# KiCad board EVT-PCB.kicad_pcb
title: EVT-PCB; date: 2024-07-18; rev: Final; company: MQuero
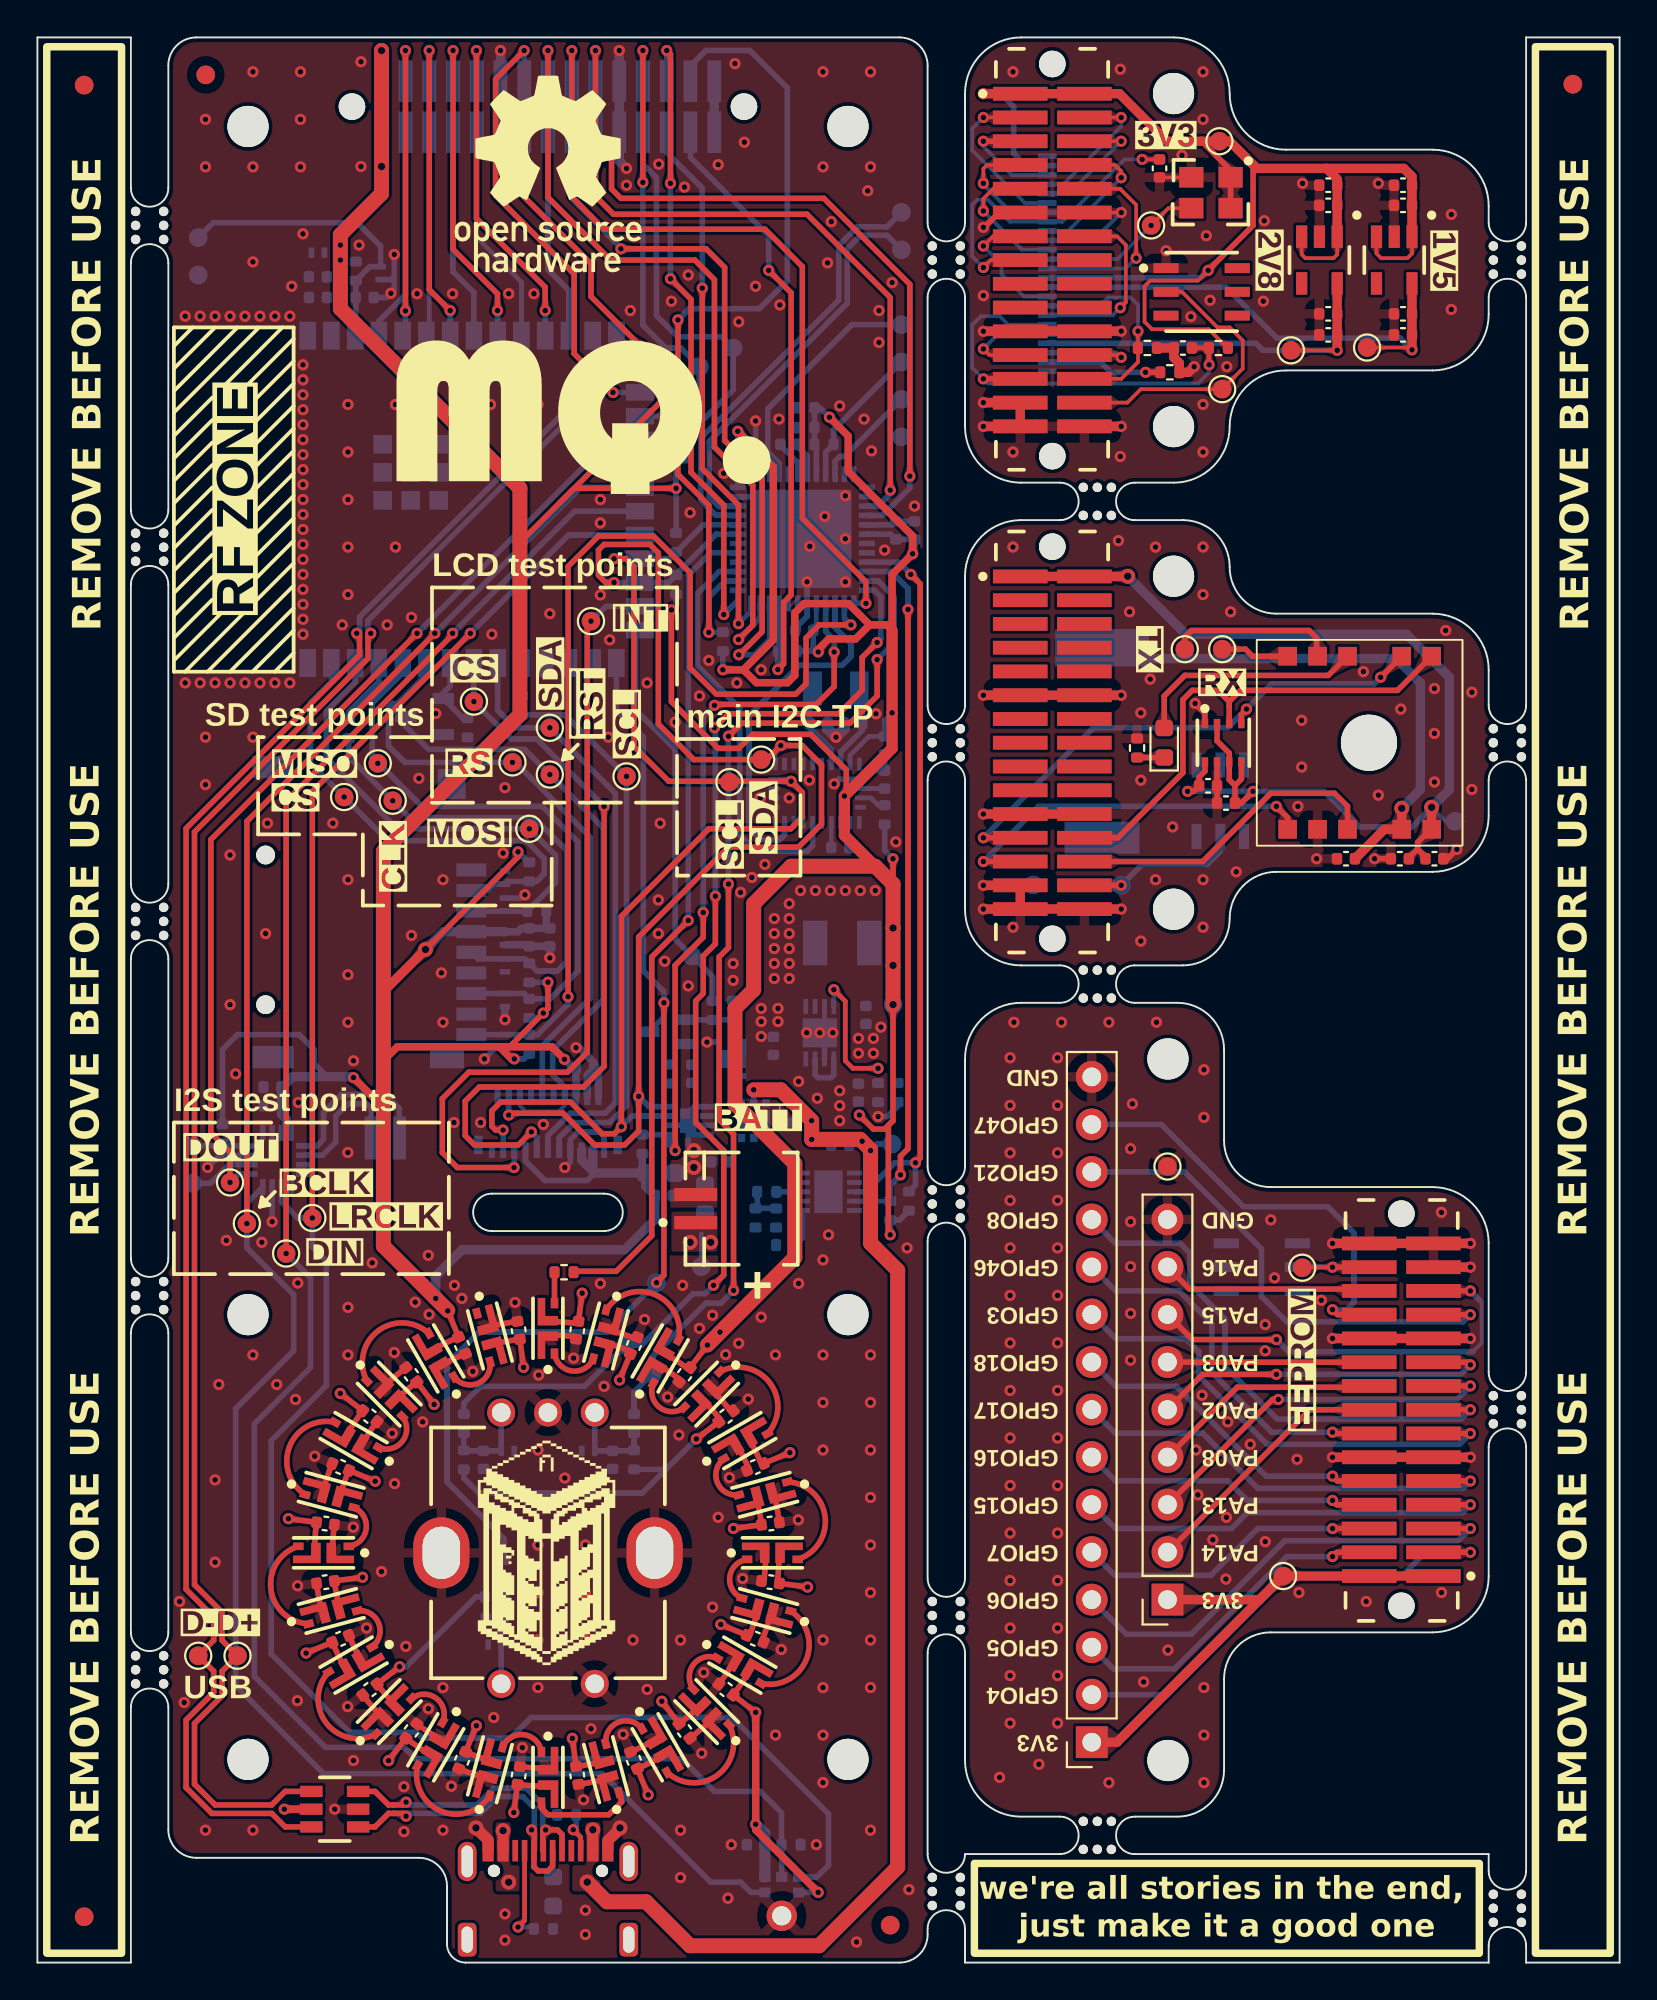
[diagram p0: board, top side]
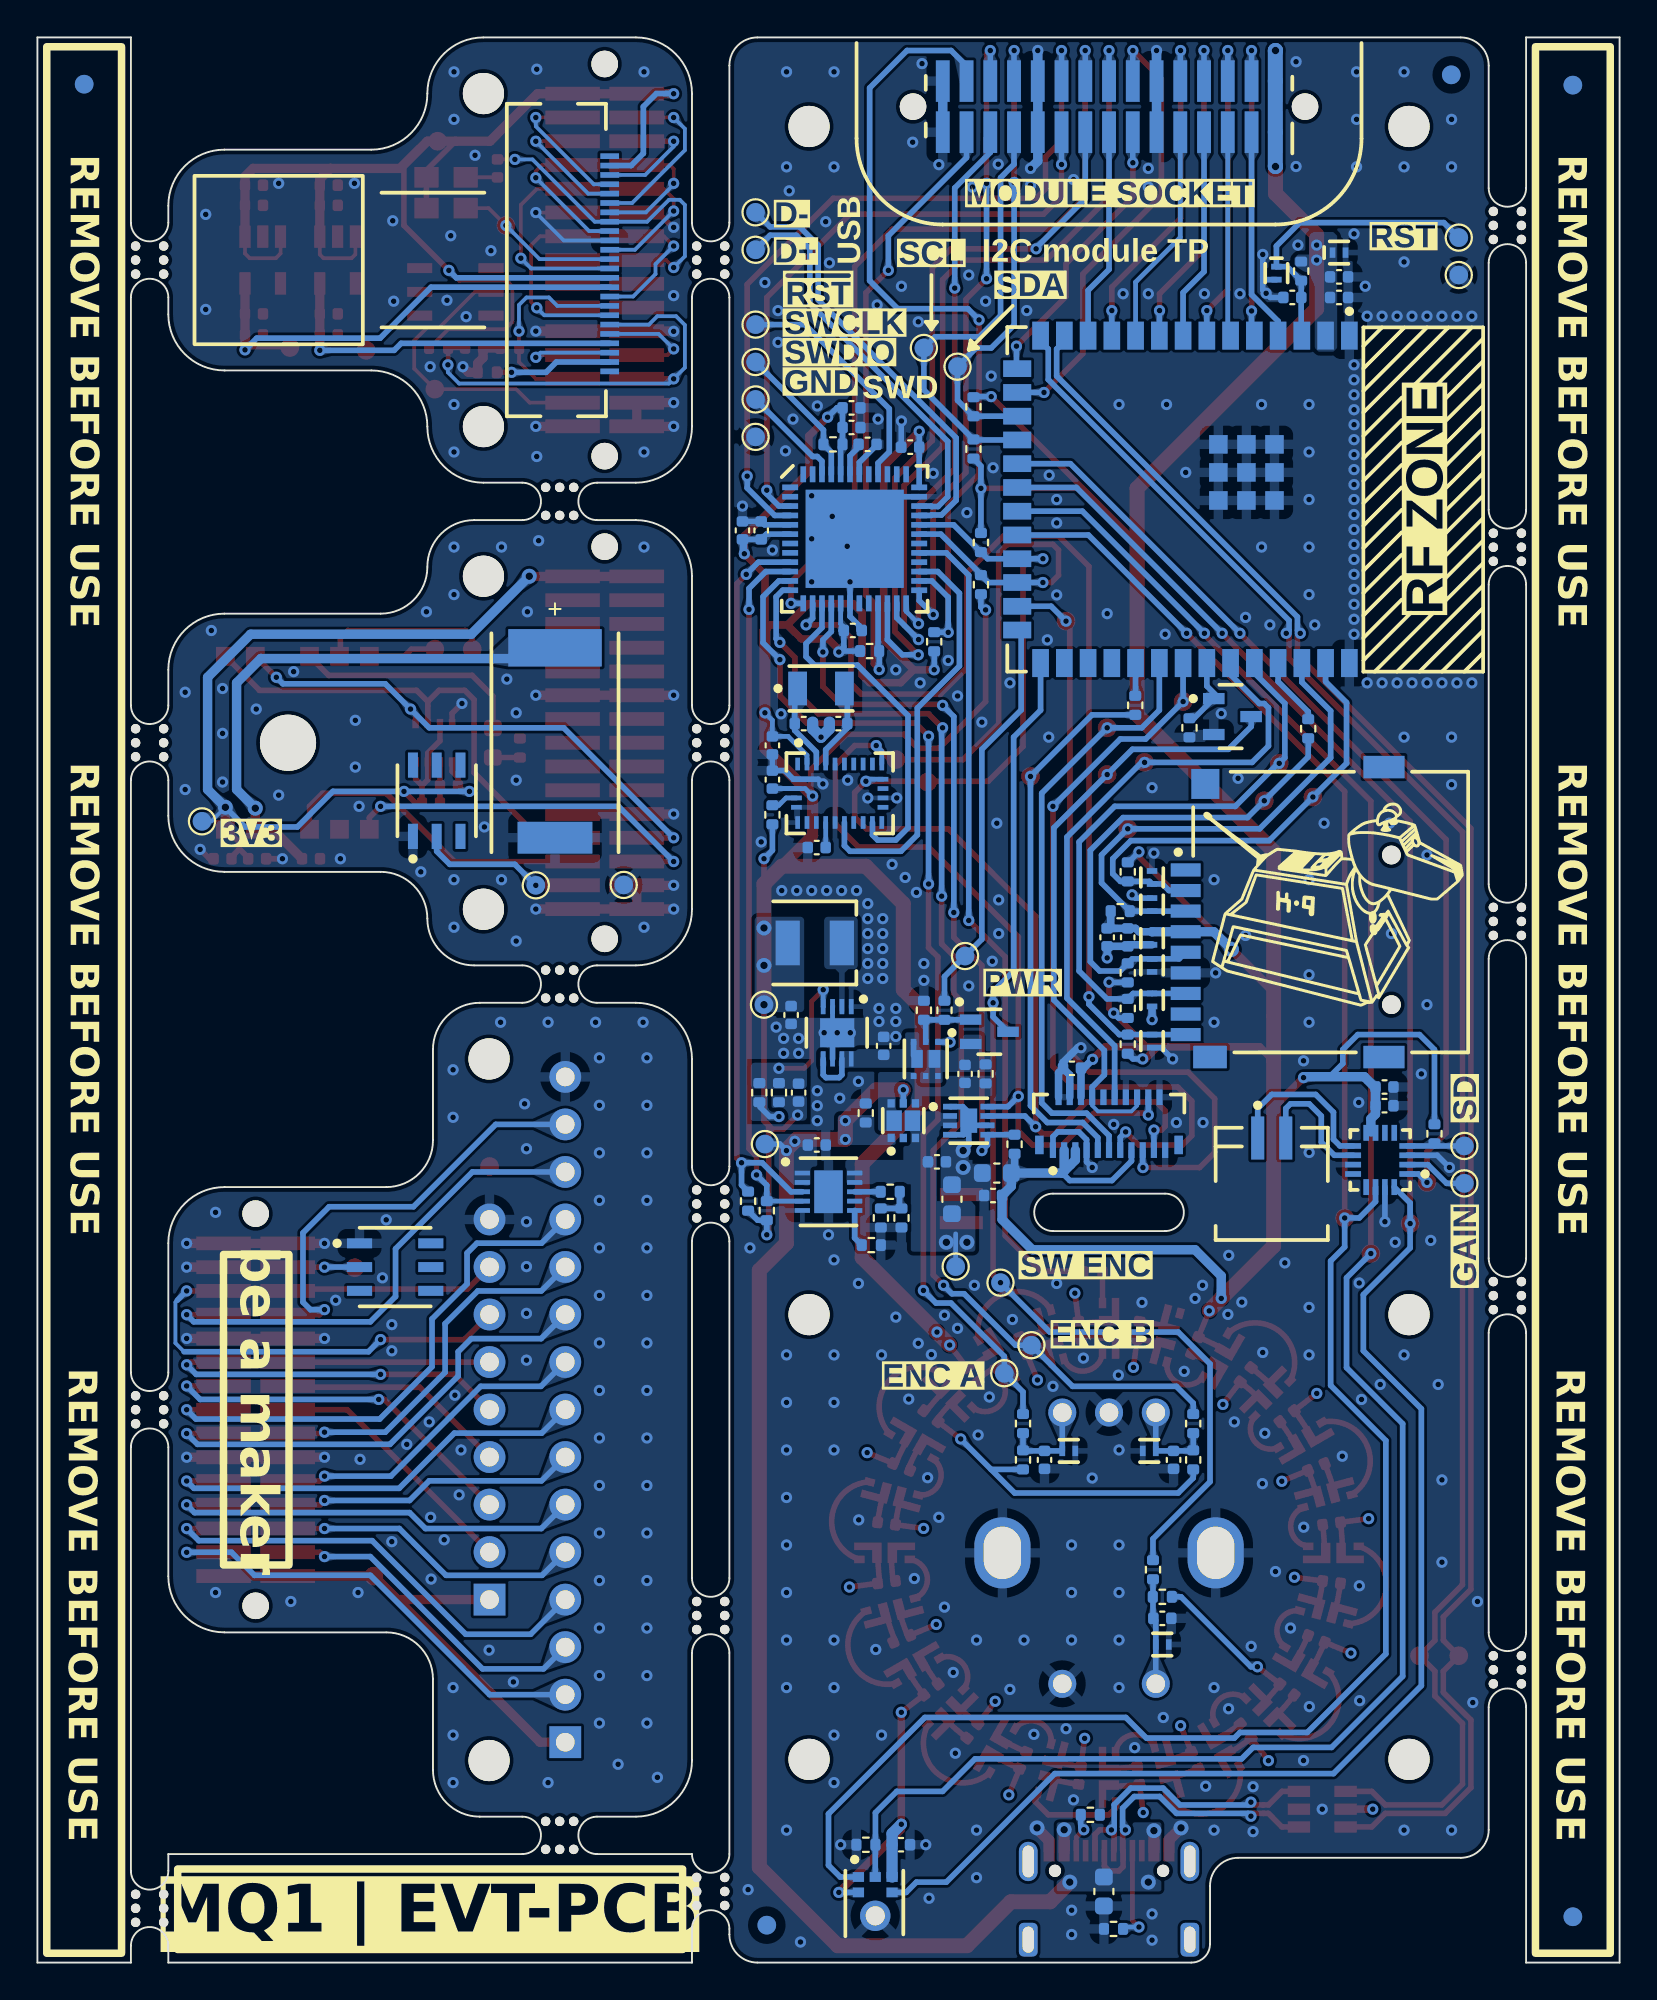
[diagram p1: board, bottom side, seen from below]

Outline 84.6 x 102.9 mm; copper layers: Top, In1.Cu, In2.Cu, Bottom. Coordinates in mm from the lower left corner of the outline.
Outline path: 0,0 0,102.9 5,102.9 5,94.85 arc(6,93.85) 7,94.85 7,101.4 arc(7.44,102.46) 8.5,102.9 46.1,102.9 arc(47.16,102.46) 47.6,101.4 47.6,93 arc(48.6,92) 49.6,93 49.6,99.9 arc(50.48,102.02) 52.6,102.9 60.75,102.9 arc(62.87,102.02) 63.75,99.9 arc(64.63,97.78) 66.75,96.9 74.6,96.9 arc(76.72,96.02) 77.6,93.9 77.6,93 arc(78.6,92) 79.6,93 79.6,102.9 84.6,102.9 84.6,0 79.6,0 79.6,0.9 arc(78.6,1.9) 77.6,0.9 77.6,0 49.6,0 49.6,1.8 arc(48.6,2.8) 47.6,1.8 47.6,1.5 arc(47.16,0.44) 46.1,0 22.9,0 arc(22.19,0.29) 21.9,1 21.9,4.1 arc(21.46,5.16) 20.4,5.6 8.5,5.6 arc(7.44,6.04) 7,7.1 7,13.65 arc(6,14.65) 5,13.65 5,0 0,0 ; 5,90.85 arc(6,91.85) 7,90.85 7,77.65 arc(6,76.65) 5,77.65 5,90.85 ; 5,73.65 arc(6,74.65) 7,73.65 7,57.65 arc(6,56.65) 5,57.65 5,73.65 ; 5,53.65 arc(6,54.65) 7,53.65 7,37.65 arc(6,36.65) 5,37.65 5,53.65 ; 5,33.65 arc(6,34.65) 7,33.65 7,17.65 arc(6,16.65) 5,17.65 5,33.65 ; 24.3,39.1 arc(23.3,40.1) 24.3,41.1 30.3,41.1 arc(31.3,40.1) 30.3,39.1 24.3,39.1 ; 47.6,89 47.6,67.2 arc(48.6,66.2) 49.6,67.2 49.6,74.1 arc(50.48,76.22) 52.6,77.1 54.67,77.1 arc(55.67,78.1) 54.67,79.1 52.6,79.1 arc(50.48,79.98) 49.6,82.1 49.6,89 arc(48.6,90) 47.6,89 ; 47.6,63.2 47.6,42.55 arc(48.6,41.55) 49.6,42.55 49.6,48.3 arc(50.48,50.42) 52.6,51.3 54.67,51.3 arc(55.67,52.3) 54.67,53.3 52.6,53.3 arc(50.48,54.18) 49.6,56.3 49.6,63.2 arc(48.6,64.2) 47.6,63.2 ; 47.6,38.55 47.6,20.55 arc(48.6,19.55) 49.6,20.55 49.6,38.55 arc(48.6,39.55) 47.6,38.55 ; 47.6,16.55 arc(48.6,17.55) 49.6,16.55 49.6,10.8 arc(50.48,8.68) 52.6,7.8 54.67,7.8 arc(55.67,6.8) 54.67,5.8 49.6,5.8 arc(48.6,4.8) 47.6,5.8 47.6,16.55 ; 58.67,79.1 60.75,79.1 arc(62.87,79.98) 63.75,82.1 arc(64.63,84.22) 66.75,85.1 74.6,85.1 arc(76.72,85.98) 77.6,88.1 77.6,89 arc(78.6,90) 79.6,89 79.6,67.2 arc(78.6,66.2) 77.6,67.2 77.6,69.1 arc(76.72,71.22) 74.6,72.1 66.25,72.1 arc(64.48,72.83) 63.75,74.6 arc(63.02,76.37) 61.25,77.1 58.67,77.1 arc(57.67,78.1) 58.67,79.1 ; 58.67,53.3 61.25,53.3 arc(63.02,54.03) 63.75,55.8 arc(64.48,57.57) 66.25,58.3 74.6,58.3 arc(76.72,59.18) 77.6,61.3 77.6,63.2 arc(78.6,64.2) 79.6,63.2 79.6,31.55 arc(78.6,30.55) 77.6,31.55 77.6,38.45 arc(76.72,40.57) 74.6,41.45 65.95,41.45 arc(64.18,42.18) 63.45,43.95 63.45,48.8 arc(62.72,50.57) 60.95,51.3 58.67,51.3 arc(57.67,52.3) 58.67,53.3 ; 58.67,7.8 60.95,7.8 arc(62.72,8.53) 63.45,10.3 63.45,15.15 arc(64.18,16.92) 65.95,17.65 74.6,17.65 arc(76.72,18.53) 77.6,20.65 77.6,27.55 arc(78.6,28.55) 79.6,27.55 79.6,4.9 arc(78.6,3.9) 77.6,4.9 77.6,5.8 58.67,5.8 arc(57.67,6.8) 58.67,7.8
Stack: Top 0.035mm / dielectric 0.196mm PP-7628 er 4.56 / In1.Cu 0.035mm / dielectric 1.03mm Core er 4.6 / In2.Cu 0.035mm / dielectric 0.196mm PP-7628 er 4.56 / Bottom 0.035mm

## Placement (name value [footprint] x y rotation side)
C201  10u  [C_0402_1005Metric]  15 90.1 180 bottom
C202  100n  [C_0402_1005Metric]  15 89 180 bottom
C203  1u  [C_0402_1005Metric]  17.5 89 0 bottom
C301  22u  [C_0603_1608Metric]  27.57 3.8 270 bottom
C302  15p  [C_0402_1005Metric]  43.9 46.5 90 bottom
C303  10u  [C_0402_1005Metric]  44.3 50.65 270 bottom
C304  10u  [C_0402_1005Metric]  39.35 49 90 bottom
C305  100n  [C_0402_1005Metric]  35 47.5 90 bottom
C401  100n  [C_0402_1005Metric]  36.5 42.8 180 bottom
C402  1u  [C_0402_1005Metric]  42.92 43.7 180 bottom
C403  22u  [C_0603_1608Metric]  35.7 40.8 90 bottom
C501  10u  [C_0402_1005Metric]  46.9 76.55 90 bottom
C502  100n  [C_0402_1005Metric]  45.9 76.55 90 bottom
C503  1u  [C_0402_1005Metric]  24.45 18.4 180 bottom
C504  100n  [C_0402_1005Metric]  28.87 33.8 262.5 top
C505  100n  [C_0402_1005Metric]  31.89 32.99 67.5 top
C506  100n  [C_0402_1005Metric]  34.61 31.42 232.5 top
C507  100n  [C_0402_1005Metric]  36.82 29.21 37.5 top
C508  100n  [C_0402_1005Metric]  38.39 26.49 202.5 top
C509  100n  [C_0402_1005Metric]  39.2 23.47 7.5 top
C510  100n  [C_0402_1005Metric]  39.2 20.33 172.5 top
C511  100n  [C_0402_1005Metric]  38.39 17.31 337.5 top
C512  100n  [C_0402_1005Metric]  36.82 14.59 142.5 top
C513  100n  [C_0402_1005Metric]  34.61 12.38 307.5 top
C514  100n  [C_0402_1005Metric]  31.89 10.81 112.5 top
C515  100n  [C_0402_1005Metric]  28.87 10 277.5 top
C516  100n  [C_0402_1005Metric]  25.73 10 82.5 top
C517  100n  [C_0402_1005Metric]  22.71 10.81 247.5 top
C518  100n  [C_0402_1005Metric]  19.99 12.38 52.5 top
C519  100n  [C_0402_1005Metric]  17.78 14.59 217.5 top
C520  100n  [C_0402_1005Metric]  16.21 17.31 22.5 top
C521  100n  [C_0402_1005Metric]  15.4 20.33 187.5 top
C522  100n  [C_0402_1005Metric]  15.4 23.47 352.5 top
C523  100n  [C_0402_1005Metric]  16.21 26.49 157.5 top
C524  100n  [C_0402_1005Metric]  17.78 29.21 322.5 top
C525  100n  [C_0402_1005Metric]  19.99 31.42 127.5 top
C526  100n  [C_0402_1005Metric]  22.71 32.99 292.5 top
C527  100n  [C_0402_1005Metric]  25.73 33.8 97.5 top
C528  1u  [C_0402_1005Metric]  40.21 81.15 180 bottom
C529  100n  [C_0402_1005Metric]  37.93 81 0 bottom
C530  100n  [C_0402_1005Metric]  41.07 82.05 180 bottom
C531  10u  [C_0402_1005Metric]  41.07 83.1 180 bottom
C532  100n  [C_0402_1005Metric]  41 71.2 180 bottom
C533  10n  [C_0402_1005Metric]  23.85 26.87 270 bottom
C534  10n  [C_0402_1005Metric]  30.75 26.87 270 bottom
C601  100n  [C_0402_1005Metric]  38.42 6.3 180 bottom
C701  22u  [C_0603_1608Metric]  33.3 42.2 0 bottom
C703  10u  [C_0402_1005Metric]  29.28 47.8 0 bottom
C705  10u  [C_0402_1005Metric]  33.5 41 0 bottom
C801  100n  [C_0402_1005Metric]  42.93 59.6 0 bottom
C802  100n  [C_0402_1005Metric]  45.3 65.06 270 bottom
C803  100n  [C_0402_1005Metric]  45.3 63.23 90 bottom
C804  22p  [C_0402_1005Metric]  43.62 66.22 180 bottom
C805  22p  [C_0402_1005Metric]  41.78 66.22 0 bottom
C901  10u  [C_0402_1005Metric]  27.4 54.8 270 bottom
C902  100n  [C_0402_1005Metric]  26.3 54.8 270 bottom
C1001  10u  [C_0402_1005Metric]  12.57 46.8 180 bottom
C1002  100n  [C_0402_1005Metric]  12.57 45.8 180 bottom
C1101  22p  [C_0402_1005Metric]  60 95.9 270 top
C1102  1u  [C_0402_1005Metric]  69.02 95 180 top
C1103  100n  [C_0402_1005Metric]  69.02 93.92 180 top
C1104  100n  [C_0402_1005Metric]  69.02 88.12 180 top
C1105  1u  [C_0402_1005Metric]  69.02 87 180 top
C1106  100n  [C_0402_1005Metric]  61.25 86.3 180 top
C1107  1u  [C_0402_1005Metric]  73.02 95 180 top
C1108  100n  [C_0402_1005Metric]  73.02 93.92 180 top
C1109  100n  [C_0402_1005Metric]  73.02 88.12 180 top
C1110  1u  [C_0402_1005Metric]  73.02 87 180 top
C1201  10u  [C_0402_1005Metric]  74.7 59 0 top
C1202  100n  [C_0402_1005Metric]  72.85 59 180 top
C1203  1u  [C_0402_1005Metric]  69.97 59 180 top
C1204  -  [DSK-3R3H224U-HL]  56.92 65.2 180 bottom
C1205  100n  [C_0402_1005Metric]  62.59 62.9 0 top
C1206  100n  [C_0402_1005Metric]  63.56 61.97 180 top
D201  -  [DESD3V3S1BL-7B]  15 91.4 180 bottom
D202  -  [DESD3V3S1BL-7B]  18.35 90.3 270 bottom
D301  -  [USBLC6-2SC6]  15.9 8.2 180 top
D302  -  [BAT54CWT1G]  33.7 49.75 180 bottom
D501  -  [SK68XX-EC3210F]  27.3 33.9 90 top
D502  -  [SK68XX-EC3210F]  30.41 33.49 255 top
D503  -  [SK68XX-EC3210F]  33.3 32.29 60 top
D504  -  [SK68XX-EC3210F]  35.79 30.39 225 top
D505  -  [SK68XX-EC3210F]  37.69 27.9 30 top
D506  -  [SK68XX-EC3210F]  38.89 25.01 195 top
D507  -  [SK68XX-EC3210F]  39.3 21.9 0 top
D508  -  [SK68XX-EC3210F]  38.89 18.79 165 top
D509  -  [SK68XX-EC3210F]  37.69 15.9 330 top
D510  -  [SK68XX-EC3210F]  35.79 13.41 135 top
D511  -  [SK68XX-EC3210F]  33.3 11.51 300 top
D512  -  [SK68XX-EC3210F]  30.41 10.31 105 top
D513  -  [SK68XX-EC3210F]  27.3 9.9 270 top
D514  -  [SK68XX-EC3210F]  24.19 10.31 75 top
D515  -  [SK68XX-EC3210F]  21.3 11.51 240 top
D516  -  [SK68XX-EC3210F]  18.81 13.41 45 top
D517  -  [SK68XX-EC3210F]  16.91 15.9 210 top
D518  -  [SK68XX-EC3210F]  15.71 18.79 15 top
D519  -  [SK68XX-EC3210F]  15.3 21.9 180 top
D520  -  [SK68XX-EC3210F]  15.71 25.01 345 top
D521  -  [SK68XX-EC3210F]  16.91 27.9 150 top
D522  -  [SK68XX-EC3210F]  18.81 30.39 315 top
D523  -  [SK68XX-EC3210F]  21.3 32.29 120 top
D524  -  [SK68XX-EC3210F]  24.19 33.49 285 top
D525  -  [DESD3V3S1BL-7B]  29.45 27.35 180 bottom
D526  -  [DESD3V3S1BL-7B]  25.15 27.35 0 bottom
D527  -  [DESD3V3S1BL-7B]  24.45 17 180 bottom
D901  -  [DESD3V3S1BL-7B]  25 54.75 270 bottom
D902  -  [DESD3V3S1BL-7B]  25 49.25 270 bottom
D903  -  [DESD3V3S1BL-7B]  25 53.3 270 bottom
D904  -  [DESD3V3S1BL-7B]  25 56.55 90 bottom
D905  -  [DESD3V3S1BL-7B]  25 51.45 270 bottom
D906  -  [DESD3V3S1BL-7B]  25 58 90 bottom
D1201  LED  [LED_0603_1608Metric]  60.25 65.2 90 top
E501  -  [PEC11R-4215F-S0024]  27.3 21.9 180 top
FID101  Fiducial  [Fiducial_1mm_Mask2mm]  2.5 100.35 0 top
FID102  Fiducial  [Fiducial_1mm_Mask2mm]  82.1 100.4 0 top
FID103  Fiducial  [Fiducial_1mm_Mask2mm]  2.5 100.35 180 bottom
FID104  Fiducial  [Fiducial_1mm_Mask2mm]  9 100.9 0 top
FID105  Fiducial  [Fiducial_1mm_Mask2mm]  45.6 2 0 top
FID106  Fiducial  [Fiducial_1mm_Mask2mm]  82.1 100.4 180 bottom
FID107  Fiducial  [Fiducial_1mm_Mask2mm]  2.5 2.45 0 top
FID108  Fiducial  [Fiducial_1mm_Mask2mm]  2.5 2.45 180 bottom
FID109  Fiducial  [Fiducial_1mm_Mask2mm]  9 100.9 180 bottom
FID110  Fiducial  [Fiducial_1mm_Mask2mm]  45.6 2 180 bottom
G***  -  [LOGO]  29.2 82.6 0 top
G***#2  -  [LOGO]  27.3 95.6 0 top
G***#3  -  [LOGO]  27.3 21.9 0 top
G***#4  -  [LOGO]  15.4 56.45 180 bottom
H101  MountingHole  [MountingHole_2.2mm_M2]  11.26 98.14 0 top
H102  MountingHole  [MountingHole_2.2mm_M2]  43.34 98.14 0 top
H103  MountingHole  [MountingHole_2.2mm_M2]  43.34 34.63 0 top
H104  MountingHole  [MountingHole_2.2mm_M2]  43.34 10.86 0 top
H105  MountingHole  [MountingHole_2.2mm_M2]  11.26 10.86 0 top
H106  MountingHole  [MountingHole_2.2mm_M2]  11.26 34.63 0 top
H1101  MountingHole  [MountingHole_2.2mm_M2]  60.75 99.9 90 bottom
H1102  MountingHole  [MountingHole_2.2mm_M2]  60.75 82.1 90 bottom
H1201  MountingHole  [MountingHole_2.2mm_M2]  60.75 74.1 270 top
H1202  MountingHole  [MountingHole_2.2mm_M2]  60.75 56.3 270 top
H1301  MountingHole  [MountingHole_2.2mm_M2]  60.45 10.8 180 top
H1302  MountingHole  [MountingHole_2.2mm_M2]  60.45 48.3 180 top
IC501  -  [ATSAMD21G18A-MUT]  40.9 76.1 180 bottom
J101  SFC-115-T2-F-D-A-K  [SFC-115-T2-F-D-A]  27.3 99.2 180 bottom
J301  -  [USB4105-GF-A]  27.3 2.3 0 top
J401  -  [S2B-ZR-SM4A-TF]  37.65 40.3 270 top
J701  -  [2-2328724-1]  27.3 44.53 0 bottom
J901  MSD-1-A  [MSD1A]  15.7 56.15 90 bottom
J1001  -  [S2B-ZR-SM4A-TF]  18.6 41.62 0 bottom
J1101  -  [TFC-115-02-F-D-A]  54.27 91 270 top
J1201  -  [TFC-115-02-F-D-A]  54.27 65.2 270 top
J1302  Conn_01x09  [PinSocket_1x09_P2.54mm_Vertical]  60.42 19.4 180 top
J1303  -  [TFC-115-02-F-D-A]  72.93 29.55 90 top
J1304  Conn_01x15  [PinSocket_1x15_P2.54mm_Vertical]  56.38 11.78 180 top
L301  1µH  [LQH44PN1R0MPRL]  43.03 54.5 0 bottom
M601  -  [ICS-43434]  39.8 3.21 270 bottom
mouse-bite-2mm-slot  VAL**  [mouse-bite-2mm-slot]  48.6 3.8 90 top
mouse-bite-2mm-slot1  VAL**  [mouse-bite-2mm-slot]  6 75.65 90 top
mouse-bite-2mm-slot2  VAL**  [mouse-bite-2mm-slot]  6 55.65 90 top
mouse-bite-2mm-slot3  VAL**  [mouse-bite-2mm-slot]  56.67 78.1 180 top
mouse-bite-2mm-slot3#2  VAL**  [mouse-bite-2mm-slot]  48.6 65.2 90 top
mouse-bite-2mm-slot3#3  VAL**  [mouse-bite-2mm-slot]  6 35.65 90 top
mouse-bite-2mm-slot3#4  VAL**  [mouse-bite-2mm-slot]  48.6 40.55 90 top
mouse-bite-2mm-slot3#5  VAL**  [mouse-bite-2mm-slot]  48.6 91 90 top
mouse-bite-2mm-slot3#6  VAL**  [mouse-bite-2mm-slot]  56.67 52.3 180 top
mouse-bite-2mm-slot4  VAL**  [mouse-bite-2mm-slot]  6 15.65 90 top
mouse-bite-2mm-slot#2  VAL**  [mouse-bite-2mm-slot]  56.67 6.8 180 top
mouse-bite-2mm-slot#3  VAL**  [mouse-bite-2mm-slot]  78.6 2.9 90 top
mouse-bite-2mm-slot#4  VAL**  [mouse-bite-2mm-slot]  6 92.85 90 top
mouse-bite-2mm-slot#5  VAL**  [mouse-bite-2mm-slot]  78.6 65.2 90 top
mouse-bite-2mm-slot#6  VAL**  [mouse-bite-2mm-slot]  78.6 29.55 90 top
mouse-bite-2mm-slot#7  VAL**  [mouse-bite-2mm-slot]  48.6 18.55 90 top
mouse-bite-2mm-slot#8  VAL**  [mouse-bite-2mm-slot]  78.6 91 90 top
Q101  -  [BSS138-7-F]  20.8 66.6 180 bottom
Q301  -  [SIA527DJ-T1-GE3]  37.1 48.3 0 bottom
R101  2K2  [R_0402_1005Metric]  34.15 75.9 270 bottom
R102  2K2  [R_0402_1005Metric]  34.15 73.65 90 bottom
R103  2K2  [R_0402_1005Metric]  34.55 80.9 90 bottom
R104  2K2  [R_0402_1005Metric]  34.55 83.16 270 bottom
R105  10k  [R_0402_1005Metric]  23 66 270 bottom
R107  2k2  [R_0402_1005Metric]  36.65 70.6 90 bottom
R108  10k  [R_0402_1005Metric]  40.1 70.1 180 bottom
R109  22R  [R_0402_1005Metric]  25.9 67.2 90 bottom
R110  22R  [R_0402_1005Metric]  16.65 65.95 90 bottom
R201  10k  [R_0402_1005Metric]  17.03 90.41 270 bottom
R301  10k  [R_0402_1005Metric]  40.31 45.41 90 bottom
R302  5.1k  [R_0402_1005Metric]  28.3 7.9 180 bottom
R303  5.1k  [R_0402_1005Metric]  27.06 1.8 0 bottom
R304  220k  [R_0402_1005Metric]  44.95 46.5 90 bottom
R305  48k7  [R_0402_1005Metric]  46 46.5 270 bottom
R306  100k  [R_0402_1005Metric]  33.9 47.5 270 bottom
R308  330  [R_0402_1005Metric]  36.1 50.9 90 bottom
R309  1M  [R_0402_1005Metric]  37.2 50.9 90 bottom
R401  2k  [R_0402_1005Metric]  40.01 38.35 0 bottom
R402  10k  [R_0402_1005Metric]  32.35 43.74 90 bottom
R403  10k  [R_0402_1005Metric]  46.6 40.7 90 bottom
R404  10k  [R_0402_1005Metric]  45.6 40.19 90 bottom
R405  1k  [R_0402_1005Metric]  39 41.2 180 bottom
R406  150k  [R_0402_1005Metric]  39.5 39.8 270 bottom
R407  10k  [R_0402_1005Metric]  38.4 39.8 270 bottom
R501  1k  [R_0402_1005Metric]  42.06 81.15 0 bottom
R502  470  [R_0402_1005Metric]  28.16 36.9 180 top
R503  10k  [R_0402_1005Metric]  24.95 21 90 bottom
R504  10k  [R_0402_1005Metric]  31.9 28.81 90 bottom
R505  10k  [R_0402_1005Metric]  22.8 28.81 90 bottom
R506  10k  [R_0402_1005Metric]  24.45 19.55 180 bottom
R507  10k  [R_0402_1005Metric]  22.8 26.87 270 bottom
R508  10k  [R_0402_1005Metric]  31.9 26.87 270 bottom
R601  100k  [R_0402_1005Metric]  40.3 6.3 0 bottom
R801  10k  [R_0402_1005Metric]  45.3 61.35 90 bottom
R901  47k  [R_0402_1005Metric]  26.3 49.09 90 bottom
R902  47k  [R_0402_1005Metric]  26.3 52.9 90 bottom
R903  47k  [R_0402_1005Metric]  26.7 56.2 180 bottom
R904  47k  [R_0402_1005Metric]  26.3 51 90 bottom
R905  47k  [R_0402_1005Metric]  26.3 58.3 270 bottom
R1001  620k  [R_0402_1005Metric]  9.9 44.3 270 bottom
R1101  10k  [R_0402_1005Metric]  63.15 86.3 180 top
R1102  10k  [R_0402_1005Metric]  59.35 86.3 180 top
R1103  0  [R_0402_1005Metric]  60.55 85 180 top
R1201  330  [R_0402_1005Metric]  58.8 64.92 270 top
TP101  TestPoint  [TestPoint_Pad_D1.0mm]  37 63.1 0 top
TP102  TestPoint  [TestPoint_Pad_D1.0mm]  38.7 64.3 0 top
TP103  TestPoint  [TestPoint_Pad_D1.0mm]  37.2 86.3 180 bottom
TP104  TestPoint  [TestPoint_Pad_D1.0mm]  35.4 85.3 180 bottom
TP105  TestPoint  [TestPoint_Pad_D1.0mm]  45.75 51.2 180 bottom
TP106  TestPoint  [TestPoint_Pad_D1.0mm]  8.6 16.4 180 top
TP107  TestPoint  [TestPoint_Pad_D1.0mm]  10.7 16.4 180 top
TP108  TestPoint  [TestPoint_Pad_D1.0mm]  10.3 41.7 0 top
TP109  TestPoint  [TestPoint_Pad_D1.0mm]  11.2 39.5 0 top
TP110  TestPoint  [TestPoint_Pad_D1.0mm]  13.3 37.9 0 top
TP111  TestPoint  [TestPoint_Pad_D1.0mm]  14.7 39.8 0 top
TP112  TestPoint  [TestPoint_Pad_D1.0mm]  29.6 71.7 0 top
TP113  TestPoint  [TestPoint_Pad_D1.0mm]  35 53.8 180 bottom
TP114  TestPoint  [TestPoint_Pad_D1.0mm]  33.1 36.34 180 bottom
TP115  TestPoint  [TestPoint_Pad_D1.0mm]  31.5 63.4 0 top
TP116  TestPoint  [TestPoint_Pad_D1.0mm]  27.4 66 0 top
TP117  TestPoint  [TestPoint_Pad_D1.0mm]  23.34 67.4 0 top
TP118  TestPoint  [TestPoint_Pad_D1.0mm]  27.4 63.5 0 top
TP119  TestPoint  [TestPoint_Pad_D1.0mm]  25.4 64.15 0 top
TP120  TestPoint  [TestPoint_Pad_D1.0mm]  18.2 64.1 0 top
TP121  TestPoint  [TestPoint_Pad_D1.0mm]  16.4 62.3 0 top
TP122  TestPoint  [TestPoint_Pad_D1.0mm]  26.3 60.6 0 top
TP123  TestPoint  [TestPoint_Pad_D1.0mm]  19 62.1 0 top
TP201  TestPoint  [TestPoint_Pad_D1.0mm]  8.6 92.2 180 bottom
TP202  TestPoint  [TestPoint_Pad_D1.0mm]  8.6 90.2 180 bottom
TP301  TestPoint  [TestPoint_Pad_D1.0mm]  45.7 43.75 180 bottom
TP401  TestPoint  [TestPoint_Pad_D1.0mm]  35.5 37.2 180 bottom
TP501  TestPoint  [TestPoint_Pad_D1.0mm]  46.2 87.55 270 bottom
TP502  TestPoint  [TestPoint_Pad_D1.0mm]  46.2 93.55 180 bottom
TP503  TestPoint  [TestPoint_Pad_D1.0mm]  46.2 91.55 180 bottom
TP504  TestPoint  [TestPoint_Pad_D1.0mm]  46.2 85.55 270 bottom
TP505  TestPoint  [TestPoint_Pad_D1.0mm]  46.2 83.55 270 bottom
TP506  TestPoint  [TestPoint_Pad_D1.0mm]  32.9 31.5 180 bottom
TP507  TestPoint  [TestPoint_Pad_D1.0mm]  31.45 33 180 bottom
TP508  TestPoint  [TestPoint_Pad_D1.0mm]  46.2 81.55 180 bottom
TP1001  TestPoint  [TestPoint_Pad_D1.0mm]  8.3 41.65 270 bottom
TP1002  TestPoint  [TestPoint_Pad_D1.0mm]  8.3 43.65 270 bottom
TP1101  TestPoint  [TestPoint_Pad_D1.0mm]  67.03 86.17 0 top
TP1102  TestPoint  [TestPoint_Pad_D1.0mm]  59.55 92.85 0 top
TP1103  TestPoint  [TestPoint_Pad_D1.0mm]  71.1 86.32 0 top
TP1104  TestPoint  [TestPoint_Pad_D1.0mm]  63.2 97.35 0 top
TP1108  TestPoint  [TestPoint_Pad_D1.0mm]  63.35 84.1 0 top
TP1202  TestPoint  [TestPoint_Pad_D1.0mm]  61.35 70.2 0 top
TP1203  TestPoint  [TestPoint_Pad_D1.0mm]  63.35 70.2 0 top
TP1204  TestPoint  [TestPoint_Pad_D1.0mm]  75.8 61 180 bottom
TP1209  TestPoint  [TestPoint_Pad_D1.0mm]  53.25 57.6 180 bottom
TP1210  TestPoint  [TestPoint_Pad_D1.0mm]  57.95 57.58 180 bottom
TP1301  TestPoint  [TestPoint_Pad_D1.0mm]  66.61 20.66 180 top
TP1302  TestPoint  [TestPoint_Pad_D1.0mm]  60.42 42.55 180 top
TP1303  TestPoint  [TestPoint_Pad_D1.0mm]  67.63 37.14 180 top
U201  -  [ESP32-S3-WROOM-2]  14.45 78.21 270 bottom
U301  -  [NTLJF3117PT1G]  38.3 45 180 bottom
U302  -  [NCV6324BMTAATBG]  41.83 49.7 270 bottom
U401  -  [MAX17048G+T10]  34.8 45 180 bottom
U402  MCP73833T-FCI/MF  [MCP73833T]  42.3 41.2 180 bottom
U801  -  [BNO085]  41.7 62.5 90 bottom
U1001  -  [MAX98357AETE+T]  12.8 42.9 0 bottom
U1101  -  [TLV74328PDBVR]  68.55 91 270 top
U1102  OV5640  [FD5640]  71.7 91 90 bottom
U1103  -  [TLV74315PDBVR]  72.55 91 270 top
U1104  -  [DS28E07P+]  62.25 89.3 0 top
U1201  -  [PA1010D]  70.7 65.2 270 top
U1202  -  [BME280]  63.4 65.2 90 top
U1203  -  [DS28E07P+]  63.25 62.1 90 bottom
U1301  -  [DS28E07P+]  65.47 37.17 180 bottom
X801  9HT10-32.768KBZF-T  [9HT1032768KEZFT]  42.7 68.1 180 bottom
X1101  ASE-24.000MHZ-L-R-T  [ASE24576MHZLCT]  62.75 94.6 180 top
